# Altium PCB HallFM2_2.PcbDoc (part 2 of 3)
Units mm, origin at the board's own origin, x right, y up, seen from the top; angles counter-clockwise.
Board outline 114 x 97 mm, 4 copper layers (Top Layer, Signal Layer 1, Signal Layer 2, Bottom Layer), stack 0.971 mm thick; 296 components, 226 nets, 1011 pads, 388 vias.
Unrouted connection lines stored in the file: 247.
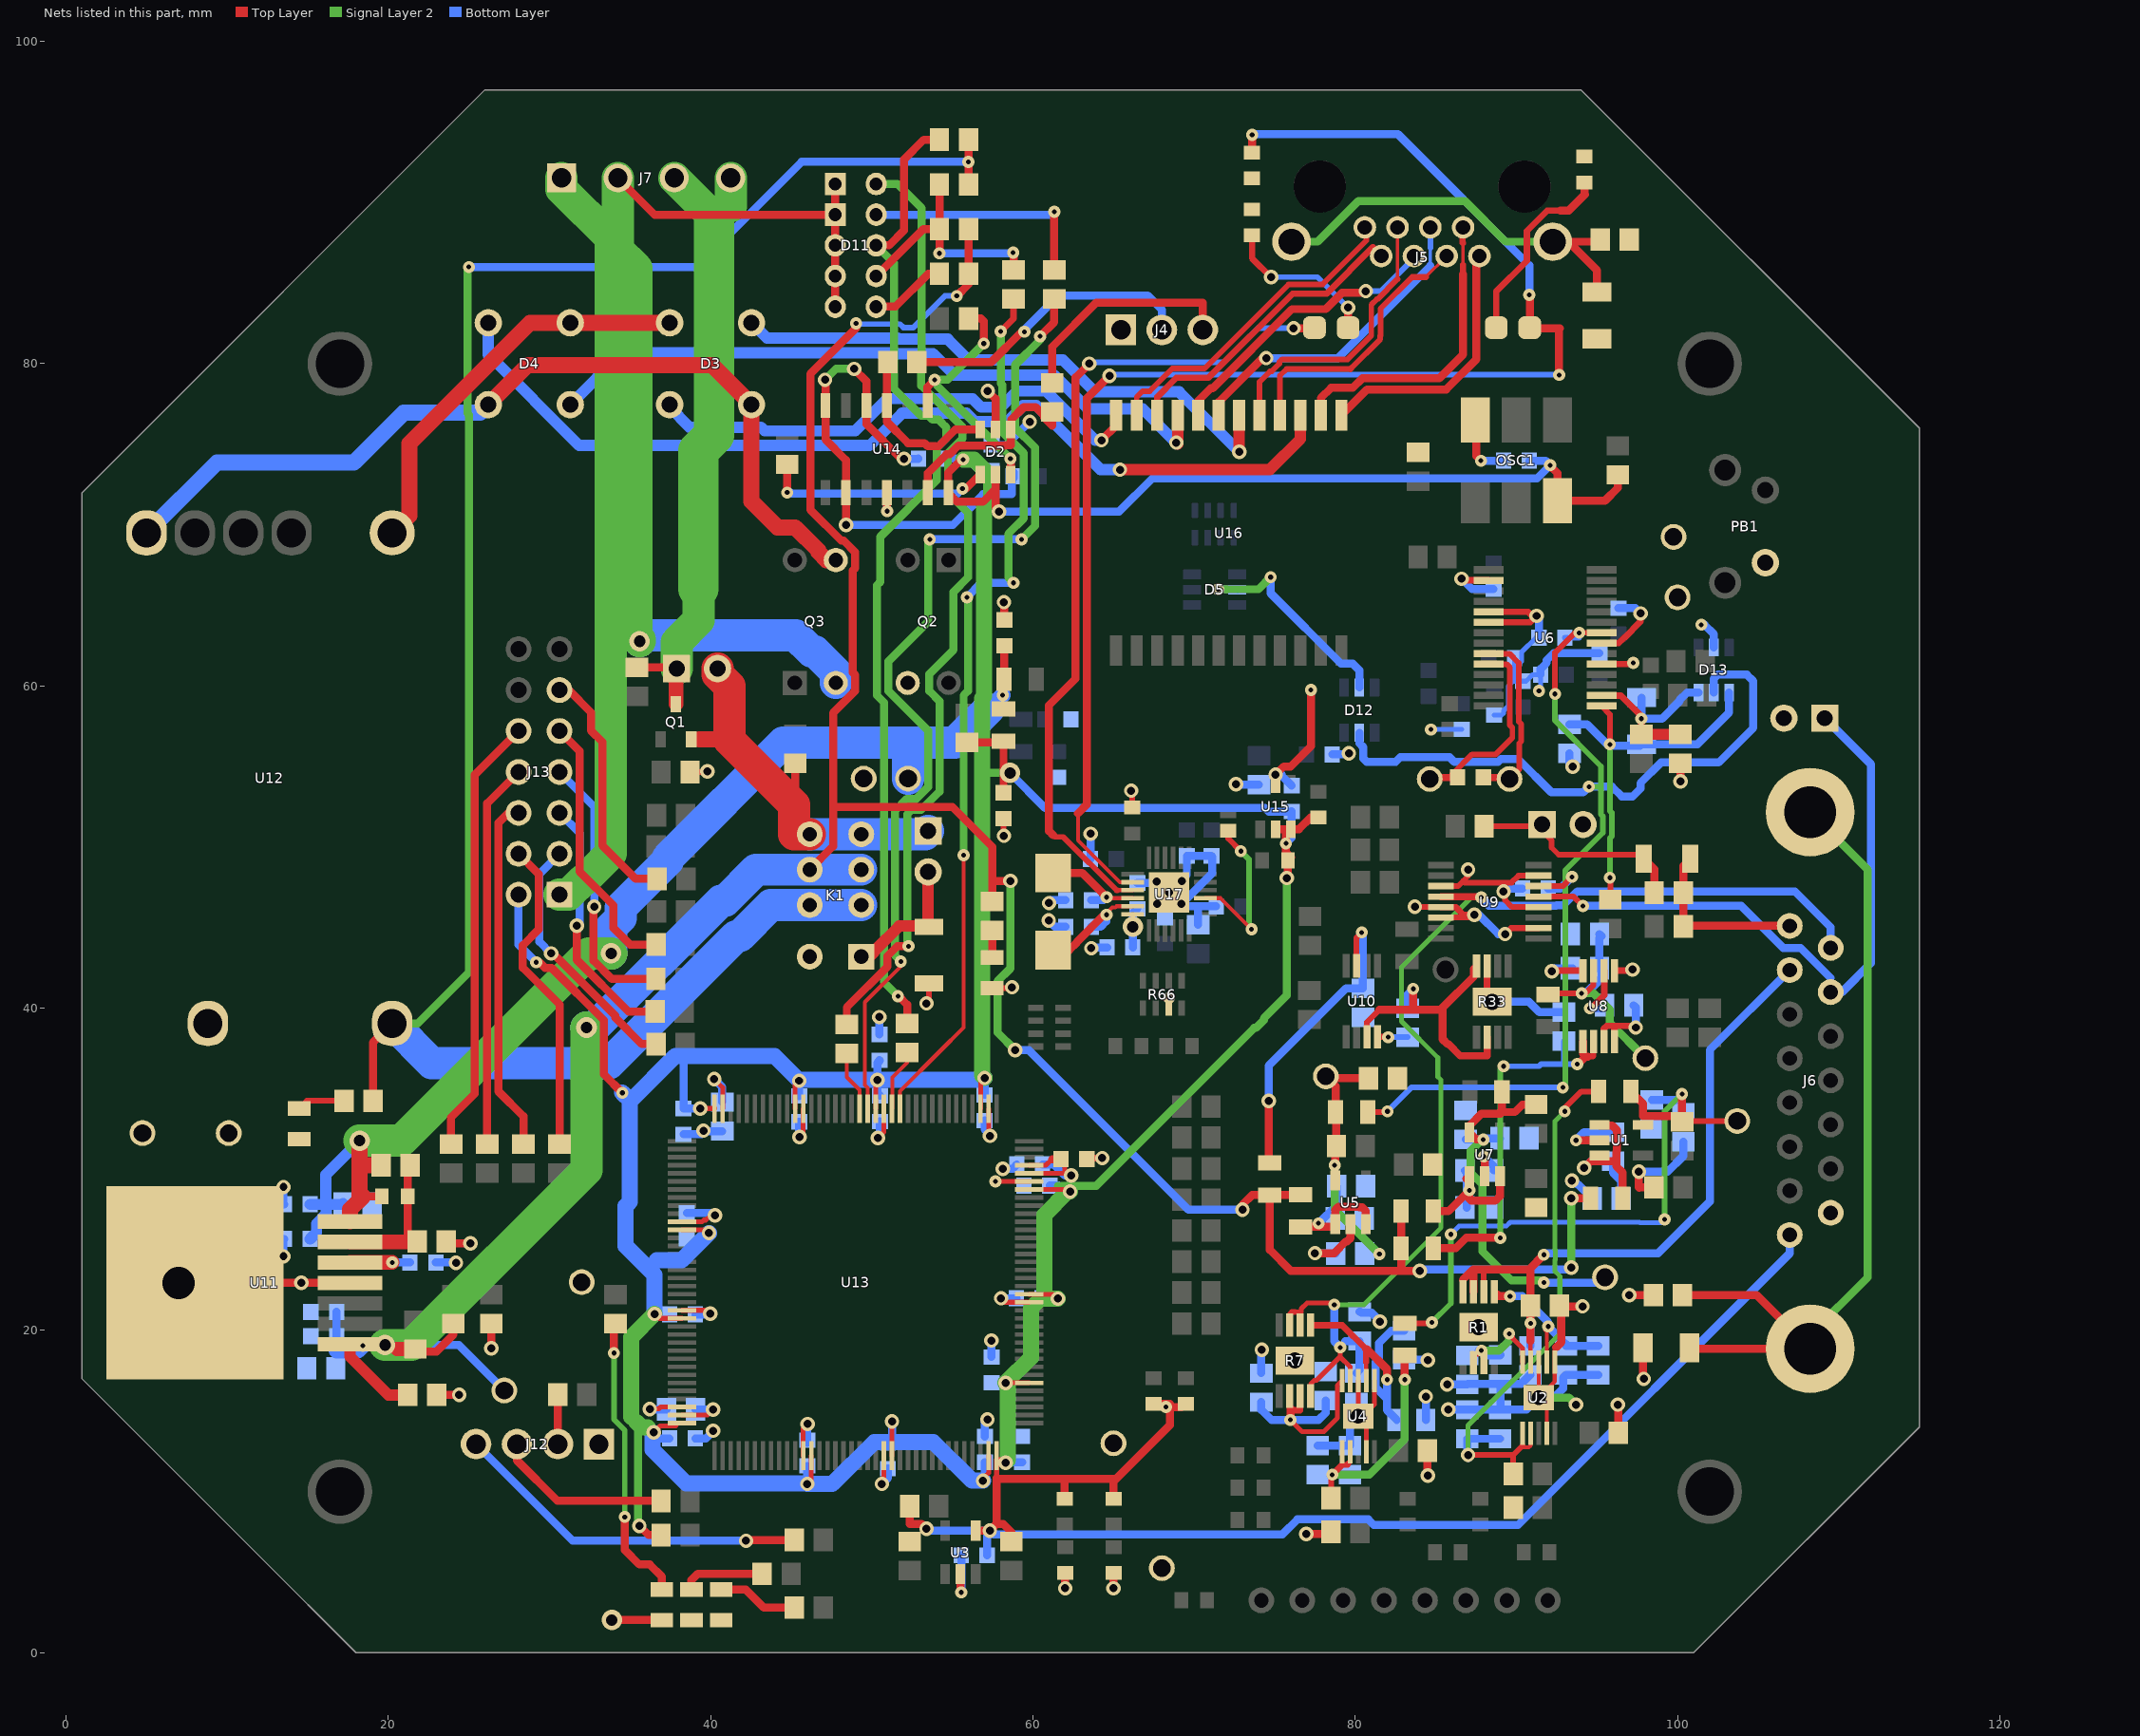
[diagram p4: the nets of this part, all layers, seen from the top]

## Via types
v1: diameter 0.75, hole 0.3, Top Layer to Bottom Layer, tented both sides, 242 vias
v2: diameter 0.9, hole 0.5, Top Layer to Bottom Layer, tented both sides, 133 vias
v3: diameter 1.27, hole 0.711, Top Layer to Bottom Layer, tented both sides, 8 vias
v4: diameter 0.9, hole 0.5, Top Layer to Bottom Layer, 5 vias

## Nets (pads, with @x,y where several pads share a name; then routed paths per layer and width w, separated by ;. In a path a pad name is that pad's centre, name@x,y a point inside that pad or via, vN(x,y) a via of type N, cw(c..) or ccw(c..) an arc to the next point about the centre after c; other vN are vias at no path point) (continued)
3V3uC: C16.2 C17.2 C67.2 C68.2 C69.2 C70.1 C72.2 C73.2 C89.2 C90.2 C91.2 C92.2 C93.2 C94.2 C95.2 C96.2 C97.2 C98.2 C99.2 C100.2 C101.2 C102.2 C103.2 D2.5 J6.8 J13.2 L12.2 OSC1.6 R11.2 R51.2 R56.1 R59.1 R60.1 R61.1 R62.1 R70.2 R71.2 R73.2 R98.2 R99.2 U3.4 U13.6 U13.17 U13.30 U13.32 U13.33 U13.39 U13.52 U13.62 U13.72 U13.84 U13.95 U13.108 U13.121 U13.131 U13.143 U13.144 U14.14 U15.5 U15.6 | length 415.8
  Top Layer w0.3: v2(36.475,13.675) 36.875,14.075 37.825,14.075 37.875,14.125 37.875,14.25 U13.108@38.23,14.25 ; v2(36.525,21.025) 36.8,20.75 U13.95@38.23,20.75 ; U13.84@38.23,26.25 39.703,26.25 v2(39.902,26.051) ; v2(39.352,33.777) 40.243,33.777 U13.72@40.25,33.77 ; U13.62@45.25,33.77 45.25,35.25 v2(45.5,35.5) ; v2(46,10.475) 46.25,10.725 U13.121@46.25,12.23 ; U13.52@50.25,33.77 50.25,35.449 v2(50.352,35.552) ; U13.131@51.25,12.23 51.253,12.233 v2(51.253,14.351) ; U13.39@56.75,33.77 56.75,35.425 v2(57,35.675) ; v2@57.098,11 57.25,11.152 U13.143@57.25,12.23 ; 57.75,10.85 57.75,11.975 58.125,11.975 v2(58.3,11.8) ; v2(58.303,16.751) U13.6@59.77,16.75 ; U13.17@59.77,22.25 61.275,22.25 v2(61.55,21.975) ; U13.30@59.77,28.75 62.179,28.75 v2(62.303,28.626) ; U13.32@59.77,29.75 62,29.75 v2@62.125,29.625 ; U13.33@59.77,30.25 60.793,30.25 61.168,30.625 61.2,30.625 ; C93.2@61.725,30.625 C93.2@61.9,30.45 ; C93.2@61.878,30.428 61.975,30.525 61.975,29.775 v2@62.125,29.625 ; v2(62.375,29.625) v2@62.125,29.625
  Top Layer w0.5: v1(29.176,42.852) 29.375,42.852 29.727,42.5 30.134,42.5 33.385,39.249 33.385,35.89 v1(34.525,34.75) ; v2(35.577,7.875) 36.152,7.3 R73.2@36.925,7.3 ; R11.2@52.355,9.1 52.355,8 53.1,8 v2(53.4,7.7) ; v1(55.677,74.053) 55.56,74.053 54.75,73.243 U14.14@54.75,72 54.803,72 54.803,71.912 55.286,71.429 56.904,71.429 57.675,72.2 ; R51.2@55.9,56.5 58.15,56.5 58.125,56.525 L12.2@58.175,56.575 C72.2@58.175,53.375 ; U3.4@56.45,7.575 v2(57.325,7.575) 57.75,8 ; D2.5@57.675,73.125 57.675,72.2 ; v2(57.9,70.825) 57.675,71.05 57.675,72.2 ; R70.2@58.655,6.9 58.655,7.495 58.15,8 57.75,8 ; 61.2,30.625 C93.2@61.725,30.625 ; R99.2@61.975,9.55 61.975,10.775 62,10.8 ; R98.2@65,9.55 65,10.625 65.175,10.8 ; R60.1@67.5,15.45 68.5,15.45 68.5,14.125 65.175,10.8 ; v1(68.25,15.25) 69.2,15.25 69.45,15.5 R59.1@69.5,15.45 ; U15.5@75.055,51.113 U15.6@76.005,51.113 ; v2(75.754,48.077) 75.825,48.149 R62.1@75.825,49.175 76.005,49.355 75.7,49.66 v1(75.7,50.225) 75.7,50.808 U15.6@76.005,51.113 ; R61.1@77.705,51.838 77.238,51.838 76.513,51.113 U15.6@76.005,51.113 ; v1(92.1,73.7) 92.1,73.65 92.54,73.21 OSC1.6@92.54,71.5 95.5,71.5 96.3,72.3 R56.1@96.3,73.1 ; 57.75,8 57.75,10.85 57.8,10.8 62,10.8 ; 62,10.8 65.175,10.8
  Signal Layer 2 w0.5: J13.2@27.775,46.735 J13.2@28.085,47.045 ; 35.075,14.649 35.4,14.324 35.5,14.224 35.5,7.952 v2(35.577,7.875) ; 56.85,54.925 57.173,54.602 v3(58.577,54.602) ; v2(58.3,11.8) v2@58.45,11.95 ; 61.55,28.975 63.926,28.975 73.726,38.775 73.842,38.775 74.325,39.258 74.325,39.374 75.754,40.802 v2(75.754,48.077)
  Signal Layer 2 w1: 35.075,14.649 35.075,19.575 v2(36.525,21.025) ; 35.4,14.324 35.749,13.975 36.102,13.975 ; v1(55.677,74.053) 55.71,74.053 56.338,74.053 57.403,72.989 57.403,71.518 56.975,71.091 56.975,59.354 56.85,59.229 56.85,35.825 v2(57,35.675) ; v2@58.45,11.95 58.45,16.604 v2(58.303,16.751) 59.875,18.323 59.875,21.375 60.475,21.975 ; v2(61.55,21.975) 60.475,21.975 ; v2(62.303,28.626) 62.158,28.626 60.7,27.169 60.7,22.2 60.475,21.975
  Bottom Layer w0.5: J13.2@28.085,47.045 28.085,43.944 v1(29.176,42.852) ; v2@36.6,13.3 C91.2@37.45,13.3 ; 38.425,37.025 38.325,36.925 C16.2@38.325,33.775 39.35,33.775 v2(39.352,33.777) 39.452,33.777 v2@39.5,33.825 ; C96.2@45.5,34.55 v2(45.5,35.5) ; v2(46,10.475) 45.975,10.5 46,10.525 C92.2@46,11.6 ; C89.2@50.475,36.775 50.5,36.75 50.352,36.602 v2(50.352,35.552) 50.352,34.723 C97.2@50.5,34.575 ; C99.2@51,13.025 51.052,13.077 51.253,13.278 v2(51.253,14.351) ; v2(53.4,7.7) 53.5,7.7 53.625,7.575 v2(57.325,7.575) ; C67.2@54.495,74.105 55.942,74.105 56.692,73.355 C68.2@56.995,73.355 ; v2(56.903,10.676) 57.025,10.798 C100.2@57.025,11.825 ; C98.2@57,34.625 v2(57,35.675) ; C70.1@57.155,6.045 57.155,7.405 v2(57.325,7.575) ; v2(57.9,70.825) 65.35,70.825 67.4,72.875 91.275,72.875 v1(92.1,73.7) 91.825,73.975 C69.2@90.8,73.975 ; v2(58.3,11.8) 58.375,11.8 58.4,11.825 C101.2@59.325,11.825 ; v3(58.577,54.602) 60.755,52.425 74.4,52.425 74.625,52.2 76.042,52.2 C73.2@76.055,52.213 76.055,50.58 v1(75.7,50.225) ; C95.2@60.575,22 61.525,22 v2(61.55,21.975) ; C102.2@60.6,30.3 61.304,30.3 61.979,29.625 v2(62.375,29.625) ; C17.2@61.046,29 61.575,29 61.949,28.626 v2(62.303,28.626) ; J6.8@106.96,25.93 106.96,24.787 90.098,7.925 81.158,7.925 80.808,8.275 76.406,8.275 75.486,7.355 57.545,7.355 v2(57.325,7.575)
  Bottom Layer w1: v1(34.525,34.75) 34.975,34.3 34.975,34.2 ; v2@36.4,13.675 36.4,12.6 38.5,10.5 v2@45.975,10.5 ; v2(36.525,21.025) 36.525,23.458 34.725,25.258 34.725,27.72 34.975,27.97 34.975,34.2 ; 36.675,24.35 38.201,24.35 v2(39.902,26.051) ; v2(46,10.475) 47.55,10.475 50.152,13.077 51.052,13.077 53.823,13.077 56.224,10.676 v2(56.903,10.676) ; v2(57,35.675) 56.877,35.552 v2(50.352,35.552) 45.552,35.552 v2(45.5,35.5) 43.975,37.025 38.425,37.025 37.8,37.025 34.975,34.2
4+: C45.2 C53.2 D13.6 R32.2 U6.16 | length 12.1
  Top Layer w0.4: U6.16@95.28,59.405 96.489,59.405 97.75,58.144 v1(97.75,57.972) R32.2@97.75,57
  Top Layer w0.7: R32.2@97.75,57 C53.2@100.175,57
  Bottom Layer w0.5: C45.2@97.755,59.28 97.755,57.977 v1(97.75,57.972) 99.039,57.972 100.125,59.058 100.125,59.125 100.6,59.6 D13.6@101.3,59.6
4-: C45.1 C54.2 D13.4 R35.2 U6.15 | length 24.9
  Top Layer w0.35: U6.15@95.28,58.755 95.8,58.235 v1(95.8,56.375) ; v1(95.8,48.1) 95.825,48.075 R35.2@95.825,46.75
  Signal Layer 2 w0.35: v1(95.8,48.1) 95.8,50.55 95.915,50.665 95.915,52.135 95.8,52.25 v1(95.8,56.375)
  Bottom Layer w0.5: C54.2@93.3,57.625 94.375,57.625 95.7,56.3 97.675,56.3 C45.1@97.755,56.38 101.23,56.38 103.2,58.35 D13.4@103.2,59.6
5VA_ADC: C25.1 C55.2 D12.5 D13.5 L6.2 U6.22 U9.14 | length 87.4
  Top Layer w0.35: L6.2@80.78,33.552 81.952,33.552 v1(82,33.6) ; U9.14@91.375,47.575 92.875,47.575 v1(93.45,48.15) ; v1(92.4,59.5) 92.4,62.07 93.634,63.305 U6.22@95.28,63.305
  Signal Layer 2 w0.35: v1(92.4,59.5) 92.4,57.861 95.25,55.011 95.25,53.75 ; v1(92.88,35.077) 93.025,35.222 93.025,48.553 95.365,50.893 95.365,51.907 95.25,52.022 95.25,53.75 ; v1(94.5,53.75) 95.25,53.75
  Bottom Layer w0.35: v1(82,33.6) 83.477,35.077 v1(92.88,35.077) ; C25.1@93,63 93.9,63 v1(93.9,63.3)
  Bottom Layer w0.5: D12.5@80.25,57.1 80.25,56.448 80.5,56.198 80.5,55.5 80.7,55.3 82.516,55.3 82.791,55.575 85.858,55.575 86.158,55.275 88.857,55.275 89.057,55.475 90.093,55.475 92.168,53.4 94.15,53.4 v1(94.5,53.75) 95.933,53.75 96.533,53.15 97.217,53.15 97.7,53.633 97.7,53.973 98.977,55.25 102.55,55.25 104.7,57.4 104.7,60.3 104.3,60.7 102.5,60.7 102.25,60.45 D13.5@102.25,59.6 ; C55.2@91.975,47.425 92.725,47.425 v1(93.45,48.15)
+12V: C58.2 C59.2 C62.2 C63.2 J29.1 K1.3 K1.6 L1.1 L5.1 L7.1 L9.2 L10.1 R43.1 R44.1 R78.2 R79.1 R112.2 U11.1 | length 201.6
  Top Layer w0.5: R43.1@21.675,18.85 21.825,18.7 23,18.7 24.038,19.738 R44.1@24.038,20.425 ; K1.6@46.15,48.6 47.6,50.05 47.6,52.5 ; v1(49.027,82.504) 49.027,82.2 46.2,79.373 46.2,70.927 48.117,69.01 48.267,69.01 48.97,68.307 48.97,67.313 48.829,67.171 48.829,60.829 48.97,60.687 48.97,59.693 47.6,58.323 47.6,52.5 ; v1(55.275,84.2) 56,84.925 R78.2@56,85.575 R112.2@56,88.35 ; R79.1@57.475,46.625 57.475,47.8 ; v2(58.6,47.9) 57.575,47.9 57.475,47.8 ; v2(73,27.5) 73,27.8 73.6,28.4 L9.2@74.7,28.4 ; L5.1@76.605,28.43 76.575,28.4 L9.2@74.7,28.4 ; L7.1@82.85,27.4 L10.1@82.85,25.1 82.85,23.7 ; v2(84,23.7) 82.85,23.7 ; v2(93.4,28.2) L1.1@94.6,28.2 ; 47.6,52.5 55,52.5 57.475,50.025 57.475,47.8 ; L9.2@74.7,28.4 74.7,25 76,23.7 82.85,23.7
  Top Layer w0.7: U11.1@17.63,19.145 17.63,18.37 20,16 C63.2@21.2,16
  Top Layer w0.9: U11.1@18.425,19.145 v3@19.8,19.145 ; 20.55,18.85 R43.1@21.675,18.85
  Signal Layer 2 w0.3: v2@93.4,28 93.6,28.2 v2(93.4,28.2)
  Signal Layer 2 w0.5: v2(58.6,47.9) 58.6,42.473 57.8,41.673 57.8,38.5 v2(58.9,37.4) ; v2(93.4,23.9) v2@93.4,28
  Signal Layer 2 w2: v3(19.8,19.1) 21.433,19.1 32.3,29.967 v3(32.3,38.8)
  Bottom Layer w0.35: v1(49.027,82.504) 49.071,82.46 51.754,82.46 51.964,82.25 52.586,82.25 54.536,84.2 v1(55.275,84.2)
  Bottom Layer w0.5: 16.795,18.75 C59.2@16.795,19.655 C58.2@16.795,21.155 ; v3(19.8,19.1) 24.375,19.1 J29.1@27.2,16.275 ; v2(58.9,37.4) 59.742,37.4 69.642,27.5 v2(73,27.5) ; v2(84,23.7) 84.1,23.8 93.3,23.8 v2(93.4,23.9)
  Bottom Layer w1: 16.795,18.75 18.1,18.75 18.425,19.075 v1(18.425,19.05)
  Bottom Layer w2: v3(32.3,38.8) 32.777,38.8 40.652,46.675 40.902,46.675 42.827,48.6 K1.6@46.15,48.6 K1.3@49.35,48.6
+12V_MW: J8.1 J9.2 K1.4 K1.5 Q1.2 R50.2 | length 27.8
  Top Layer w0.5: R50.2@45.25,55.2 45.25,51.7 K1.5@46.15,50.8
  Top Layer w0.7: Q1.2@38.8,56.675 39.325,56.675
  Top Layer w1: 39.325,56.675 41.125,56.675 41.175,56.625
  Top Layer w2: J9.2@40.43,61.08 40.43,60.725 41.175,59.98 41.175,56.625 45.175,52.625 45.175,50.8 K1.5@46.15,50.8
  Bottom Layer w2: K1.5@46.15,50.8 K1.4@49.35,50.8 53.3,50.8 J8.1@53.5,51
+12V_POE: K1.2 K1.7 R80.2 R96.1 R110.2 U12.7 | length 125.9
  Top Layer w0.5: R96.1@19.05,34.25 19.05,37.87 U12.7@20.24,39.06 ; R80.2@56,91.125 v1(56,92.525) R110.2@56,93.9
  Signal Layer 2 w0.5: U12.7@20.24,39.06 21.835,39.06 25,42.225 25,76.832 24.91,76.922 24.91,85.91 v1(25,86)
  Bottom Layer w0.5: v1(25,86) 39.125,86 45.475,92.35 45.65,92.525 v1(56,92.525) v1@56.025,92.525
  Bottom Layer w2: U12.7@20.24,39.06 22.7,36.6 33.711,36.6 41.586,44.475 41.814,44.475 43.739,46.4 K1.7@46.15,46.4 K1.2@49.35,46.4
GND: C1.2 C2.2 C3.1 C4.1 C5.1 C6.1 C7.1 C8.1 C9.1 C10.1 C11.1 C12.1 C13.2 C14.2 C15.1 C16.1 C17.1 C18.1 C19.1 C20.1 C21.1 C22.1 C23.1 C24.1 C25.2 C26.2 C27.1 C28.1 C29.1 C30.1 C31.1 C32.1 C33.1 C34.1 C35.1 C39.1 C41.1 C42.1 C43.1 C44.1 C46.1 C47.1 C48.1 C49.1 C50.1 C51.1 C52.1 C53.1 C54.1 C55.1 C56.1 C57.1 C58.1 C59.1 C60.1 C61.1 C62.1 C63.1 C65.1 C66.1 C67.1 C68.1 C69.1 C70.2 C71.2 C72.1 C73.1 C74.1 C75.1 C76.1 C77.1 C78.1 C79.1 C80.1 C81.1 C82.1 C83.1 C84.1 C85.1 C86.1 C87.2 C88.2 C89.1 C90.1 C91.1 C92.1 C93.1 C94.1 C95.1 C96.1 C97.1 C98.1 C99.1 C100.1 C101.1 C102.1 C103.1 D1.2 D2.2 D5.2 D6.1 D7.1 D8.1 D9.1 D10.1 D11.1 D11.2 D11.3 D11.4 D11.5 D12.2 D13.2 J1.2 J4.1 J6.15 J7.1 J7.2 J11.2 J12.1 J13.1 J16.1 J17.1 J18.1 J19.1 J20.1 J21.1 J22.1 J23.1 K1.8 OSC1.3 PB1.2 Q2.3 Q3.2 R1.9 R4.1 R5.1 R7.9 R10.1 R14.1 R21.2 R22.1 R33.7 R33.9 R34.1 R39.2 R40.1 R41.1 R42.1 R46.2 R47.2 R49.2 R66.7 R68.1 R69.2 R72.1 R77.2 R97.2 U1.2 U2.4 U2.6 U2.8 U2.11 U3.2 U4.4 U4.6 U4.8 U4.11 U5.2 U6.2 U6.5 U6.6 U6.19 U6.21 U7.2 U8.3 U8.4 U8.5 U8.8 U9.3 U9.5 U9.6 U9.10 U9.12 U9.15 U10.4 U11.4 U11.8 U12.6 U13.16 U13.31 U13.38 U13.51 U13.61 U13.83 U13.94 U13.107 U13.120 U13.130 U14.5 U14.7 U14.9 U15.2 U17.25 | length 432.5
  Top Layer w0.25: U2.8@91.38,18.03 U2.11@91.38,15.83 ; U2.4@91.88,13.63 91.88,15.33 U2.11@91.38,15.83 ; 92.475,18.95 92.38,18.855 U2.6@92.38,18.03 92.38,16.83 U2.11@91.38,15.83 ; 92.8,19.275 92.8,19.375
  Top Layer w0.3: U13.107@38.23,14.75 39.8,14.75 v2(40.15,15.1) ; U13.94@38.23,21.25 39.775,21.25 v2(39.975,21.05) ; U13.83@38.23,26.75 39.469,26.75 39.571,26.851 39.701,26.851 40.001,27.151 v2(40.277,27.151) ; v2(45.525,32) 45.75,32.225 U13.61@45.75,33.77 ; U13.120@45.75,12.23 45.75,13.925 v2(46.025,14.2) ; v2(50.377,31.952) 50.75,32.324 U13.51@50.75,33.77 ; v2(50.625,10.475) 50.76,10.61 50.76,12.013 50.75,12.023 U13.130@50.75,12.23 ; U13.38@57.25,33.77 57.25,32.154 v2(57.328,32.077) ; v1(57.675,29.25) U13.31@59.77,29.25 ; v2(58.025,22) 58.275,21.75 U13.16@59.77,21.75 ; U4.8@80.18,16.88 U4.11@80.18,14.68 U4.11@80.318,14.543 ; U4.4@80.68,12.48 80.68,14.18 U4.11@80.318,14.543 ; U4.6@81.18,16.88 81.18,15.405 U4.11@80.318,14.543
  Top Layer w0.35: R49.2@38.725,54.65 39.75,54.65 39.8,54.6 v2(39.8,54.7) ; v2(53.4,40.3) 53.55,40.45 D1.2@53.55,41.55 ; D6.1@57.475,41.25 58.65,41.25 v2(58.7,41.3) ; C72.1@58.175,51.775 58.175,50.725 v2(58.2,50.7) ; v2(66.1,53.5) 66.1,53.3 66.15,53.25 R68.1@66.15,52.45 ; R66.7@68.425,40 68.425,40.65 v1(68.45,40.65) ; v2(83.7,46.3) 83.725,46.275 U9.5@85.325,46.275 ; U9.6@85.325,45.625 87.225,45.625 v2(87.4,45.8) ; U9.3@85.325,47.575 86.375,47.575 86.7,47.9 ; v2(87,48.6) 87,48.2 86.7,47.9 ; U9.12@91.375,46.275 89.725,46.275 89.3,46.7 89.3,47.8 ; U9.15@91.375,48.225 90.125,48.225 89.7,47.8 89.3,47.8 ; 86.7,47.9 86.8,47.8 89.3,47.8
  Top Layer w0.4: C93.1@63.35,30.65 63.4,30.7 v2(64.3,30.7) ; U10.4@81.38,38.23 82.02,38.23 v1(82.05,38.2) ; U9.5@85.325,46.275 86.225,46.275 86.7,45.8 v2(87.4,45.8) ; v2(86.604,66.653) 86.702,66.555 U6.2@88.28,66.555 ; R33.7@88.18,42.605 88.18,40.73 R33.9@88.505,40.405 ; U6.6@88.28,63.955 90.855,63.955 v2(91.25,64.35) 90.975,64.35 90.72,64.605 U6.5@88.28,64.605 ; v2(89.3,44.6) 89.675,44.975 U9.10@91.375,44.975 ; v2(92.2,42.3) 92.4,42.3 92.43,42.33 U8.8@94.13,42.33 ; U6.19@95.28,61.355 97.182,61.355 v1(97.257,61.43) ; U6.21@95.28,62.655 96.346,62.655 96.694,63.003 96.71,63.003 97.7,63.993 v2(97.7,64.5) ; U8.3@95.43,37.93 95.43,38.73 95.6,38.9 96.1,38.9 ; U8.4@96.08,37.93 96.08,38.88 96.1,38.9 ; U8.5@96.08,42.33 97.13,42.33 v2(97.2,42.4) ; v2(97.4,38.8) 97.3,38.9 96.1,38.9
  Top Layer w0.5: U11.8@7,22.955 v2(14.6,22.955) U11.4@17.63,22.955 ; C63.1@23,16 v2(24.4,16) ; R47.2@23.6,25.525 23.725,25.4 v2(25.1,25.4) v2@25.2,25.4 ; v2(26.4,18.9) R46.2@26.4,20.425 ; v3(33.875,2.025) 34.1,2.025 D9.1@36.975,2.025 ; J7.2@34.25,91.525 36.525,89.25 D11.2@47.735,89.25 ; v2(47.1,79) 47.13,78.97 U14.7@47.13,77.4 47.13,75.295 48.4,74.025 U14.9@48.4,72 v2(48.4,70) ; D11.5@47.735,83.535 D11.4@47.735,85.44 D11.3@47.735,87.345 D11.2@47.735,89.25 ; D11.1@47.735,91.155 D11.2@47.735,89.25 ; v2(48.902,79.679) 49.67,78.911 U14.5@49.67,77.4 49.67,76.247 51.817,74.1 v2(52,74.1) ; U3.2@55.5,4.875 55.5,3.8 v1(55.555,3.745) ; v2(57.2,78.3) 57.675,77.825 D2.2@57.675,75.925 ; v2(58.2,65.2) 58.225,65.175 C75.1@58.225,64.1 ; v2(62,4) R77.2@62,4.95 ; v2@64.3,30.625 v2(64.3,30.7) ; v2(65,4) R97.2@65,4.95 ; U15.2@75.055,53.913 75.055,54.555 v2(75.055,54.486) 75.572,55.003 76.001,55.003 77.25,56.251 v1(77.25,59.75) ; v2(76.954,7.375) 78.025,7.375 78.325,7.675 R72.1@78.5,7.5 ; v2(77.5,24.8) 78.7,24.8 79.43,25.53 79.505,25.53 79.705,25.73 U5.2@79.705,26.605 ; R10.1@84.473,12.548 84.473,11.027 v2(84.5,11) ; OSC1.3@87.46,76.5 87.5,76.46 87.5,74.275 v1(87.8,73.975) ; U7.2@87.98,29.63 U7.2@88.03,29.58 88.03,30.75 v1(87.98,30.8) ; 92.475,18.95 92.8,19.275 ; C8.1@92.475,21.55 92.8,21.225 92.8,19.375 ; C8.1@92.675,21.55 92.725,21.5 v2(94.1,21.5) ; v1(93.7,31.8) 93.705,31.805 U1.2@95.155,31.805 ; v2(96.3,15.4) 96.3,15.2 96.33,15.17 R5.1@96.33,13.655 ; v2(97,22.2) R39.2@98.5,22.2 ; v2(97.6,29.85) 97.6,28.875 97.625,28.85 97.655,28.88 R4.1@98.53,28.88 ; C56.1@97.85,18.925 97.85,17.05 v2(97.9,17) ; v2(100.175,54.075) C53.1@100.175,55.2
  Signal Layer 2 w0.5: v2(47.1,79) 47.779,79.679 v2(48.902,79.679) ; v1(71.5,66) 74,66 v1(74.75,66.75) ; U2.11@91.38,15.83 93.27,15.83 v2(93.7,15.4)
  Signal Layer 2 w2: J13.1@30.625,47.045 31.186,47.045 32.093,47.952 32.152,47.952 33.8,49.6 33.8,84.4 ; J7.1@30.75,91.525 30.75,90.85 33.8,87.8 33.8,84.4 ; J7.2@34.25,91.525 34.25,87.07 ; v3(35.6,62.775) 35.6,62.875 35.41,63.065 35.41,85.91 34.25,87.07 ; 33.8,84.4 34.25,84.85 34.25,87.07
  Bottom Layer w0.3: v1(84.7,57.3) 84.6,57.3 C51.1@86.6,57.3 ; C48.1@88.605,58.18 89.08,58.18 89.2,58.3 89.2,58.45 89.5,58.75 89.5,60 89.8,60.3 ; C47.1@89.875,61.725 89.875,60.375 89.8,60.3 ; C47.1@90.3,61.5 90.329,61.529 90.329,62.104 91.225,63 C25.2@91.4,63 ; v1(91.4,59.7) 91.5,59.8 C49.1@91.5,60.7 91,60.7 90.6,60.3 C52.1@90.4,60.3 89.8,60.3
  Bottom Layer w0.35: v1(82.05,38.2) C46.1@83.25,38.2
  Bottom Layer w0.5: v2(13.5,24.6) 13.5,25.625 C61.1@13.55,25.675 ; v2(13.5,28.9) 13.5,27.875 C60.1@13.55,27.825 ; C66.1@22.95,24.225 23.975,24.225 24,24.2 v2(24.2,24.2) ; C16.1@38.325,32.175 39.45,32.175 39.65,32.375 C18.1@40.725,32.375 ; C94.1@38.525,27.3 40.128,27.3 v2(40.277,27.151) ; C91.1@39.05,13.3 39.725,13.3 40.152,13.727 v2(40.152,13.776) ; C90.1@39.05,21 40,21 39.975,21.025 v2(39.975,21.05) ; C19.1@39.075,15.1 v2(40.15,15.1) ; C96.1@45.5,32.95 45.5,32.025 v2(45.525,32) ; C92.1@46,13.025 v2@46,13.975 ; v2(48.4,70) 55.05,70 56.4,71.35 56.4,71.4 56.9,71.9 58.7,71.9 58.7,72.8 58.8,72.9 58.8,73.275 58.775,73.275 58.77,73.27 C74.1@58.77,73.005 ; v2(50.377,31.952) 50.5,32.074 C97.1@50.5,32.975 ; C89.1@50.475,38.375 50.475,39.25 50.45,39.275 50.45,39.425 v2(50.475,39.45) ; v2(50.625,10.475) 51,10.85 C99.1@51,11.425 ; v2(52,74.1) 52.89,74.1 C67.1@52.895,74.105 ; v1(55.555,3.745) C70.2@55.555,6.045 ; C98.1@57,33.025 57,32.475 57.328,32.147 v2(57.328,32.077) ; C100.1@57.025,13.425 57.025,14.35 57.15,14.475 v2(57.175,14.475) ; C103.1@57.425,18.35 v2(57.425,19.375) ; C68.1@57.425,74.955 58.355,74.955 v2(59.8,76.4) ; v2(58.025,22) C95.1@58.975,22 ; v2(58.128,30.026) 58.726,30.026 C102.1@59,30.3 ; v2(60.978,45.452) 60.978,45.422 61.35,45.05 C88.2@62.025,45.05 ; v2(61,46.525) 61,46.6 61.1,46.7 C87.2@62.025,46.7 ; C77.1@63.575,49.275 63.575,50.6 63.55,50.625 63.575,50.65 v2(63.575,50.825) ; v2(63.625,43.725) 63.675,43.775 C83.1@64.6,43.775 ; C81.1@66.475,47.775 67.6,47.775 v4(67.675,47.85) ; U17.25@68.2,46.475 68.2,46.925 v4(68.45,47.175) 69.3,46.325 70.2,46.325 ; U17.25@69.212,47.938 69.55,48.275 C85.1@69.55,49.45 C78.1@71.075,49.45 71.128,49.397 71.128,48.378 v4(69.225,46.475) ; C86.1@70.25,45.175 70.25,46.275 70.2,46.325 ; C84.1@71.375,46.325 70.2,46.325 ; v1(71.5,66) 72.65,66 D5.2@72.675,65.975 ; v2(72.6,53.9) v2@72.575,53.875 ; C79.1@74.025,53.875 v2@72.575,53.875 ; C13.2@74.175,17.35 74.175,18.575 74.2,18.6 v2(74.2,18.8) ; v1(74.75,66.75) 74.75,65.75 79.125,61.375 79.85,61.375 80.25,60.975 D12.2@80.25,59.9 ; v2(75.055,54.486) v2@75.383,54.486 ; v2@75.425,54.528 v2@75.383,54.486 ; C73.1@76.055,53.813 v2@75.383,54.486 ; v2(77.5,24.8) 77.52,24.78 C29.1@78.78,24.78 ; C22.1@77.675,12.85 C21.1@79.675,12.85 79.675,14.175 U4.11@80.18,14.68 U4.11@80.075,14.785 ; C82.1@78.575,55.75 79.45,55.75 79.525,55.825 v2(79.6,55.825) ; C15.1@80.275,21.15 80.325,21.15 80.375,21.1 81.025,21.1 81.525,20.6 v2(81.525,20.55) ; C24.1@83.03,18.18 84.395,18.18 84.425,18.15 v2(84.5,18.15) ; C23.1@84.375,14.45 v2(84.375,15.9) ; v2(85.7,16.65) 85.705,16.655 C2.2@86.955,16.655 86.98,16.68 C1.2@89.005,16.68 ; v2(85.775,15.1) 85.795,15.08 C10.1@86.955,15.08 C9.1@88.98,15.08 ; v2(86.604,66.653) 87.252,66.005 C26.2@88.58,66.005 ; v2(87.4,45.8) 87.675,45.8 88.875,44.6 v2(89.3,44.6) ; v1(87.8,73.975) C69.1@89.2,73.975 ; v1(87.98,30.8) 88.605,30.175 C33.1@88.605,29.93 ; R33.9@88.505,40.405 90.77,40.405 91.42,39.755 C44.1@92.955,39.755 ; v2(89.2,47.25) 89.225,47.225 89.225,47.075 89.575,47.425 C55.1@90.375,47.425 ; C3.1@90.875,17.25 90.305,16.68 C1.2@89.005,16.68 ; v2(91.25,64.35) 91.4,64.2 C25.2@91.4,63 ; C49.1@91.5,60.7 91.5,61.057 91.879,61.436 91.879,61.6 92.309,62.03 C50.1@95.155,62.03 ; v2(92.2,42.3) 92.38,42.48 C41.1@93.48,42.48 ; v2@93.275,29.225 v2@93.369,29.225 ; C54.1@93.3,55.825 93.3,54.975 93.475,54.975 v2(93.5,55) ; v2(93.444,29.3) v2@93.369,29.225 ; v1(93.7,31.8) 94.2,32.3 C4.1@96,32.3 ; C5.1@94.702,28.198 93.875,29.025 93.85,29.025 93.65,29.225 v2@93.369,29.225 ; C11.1@95.075,17.25 C12.1@93.075,17.25 92.9,17.075 92.9,16.4 92.33,15.83 U2.11@91.38,15.83 90.63,15.08 C9.1@88.98,15.08 ; C31.1@96.325,64.825 97.375,64.825 v2(97.7,64.5) ; C43.1@97.278,40.182 97.4,40.06 v2(97.4,38.8) ; v2(97.6,29.85) 99.375,29.85 100.357,30.832 C7.1@100.357,31.707 ; v1(101.475,63.8) 101.675,63.8 102.25,63.225 D13.2@102.25,62.4 ; v2@72.575,53.875 72.55,53.85 72.45,53.85 72.475,53.875 v2@72.575,53.875 ; C9.1@88.98,15.08 89.005,15.105 C1.2@89.005,16.68